# KiCad board homebrew_486.kicad_pcb (continued)
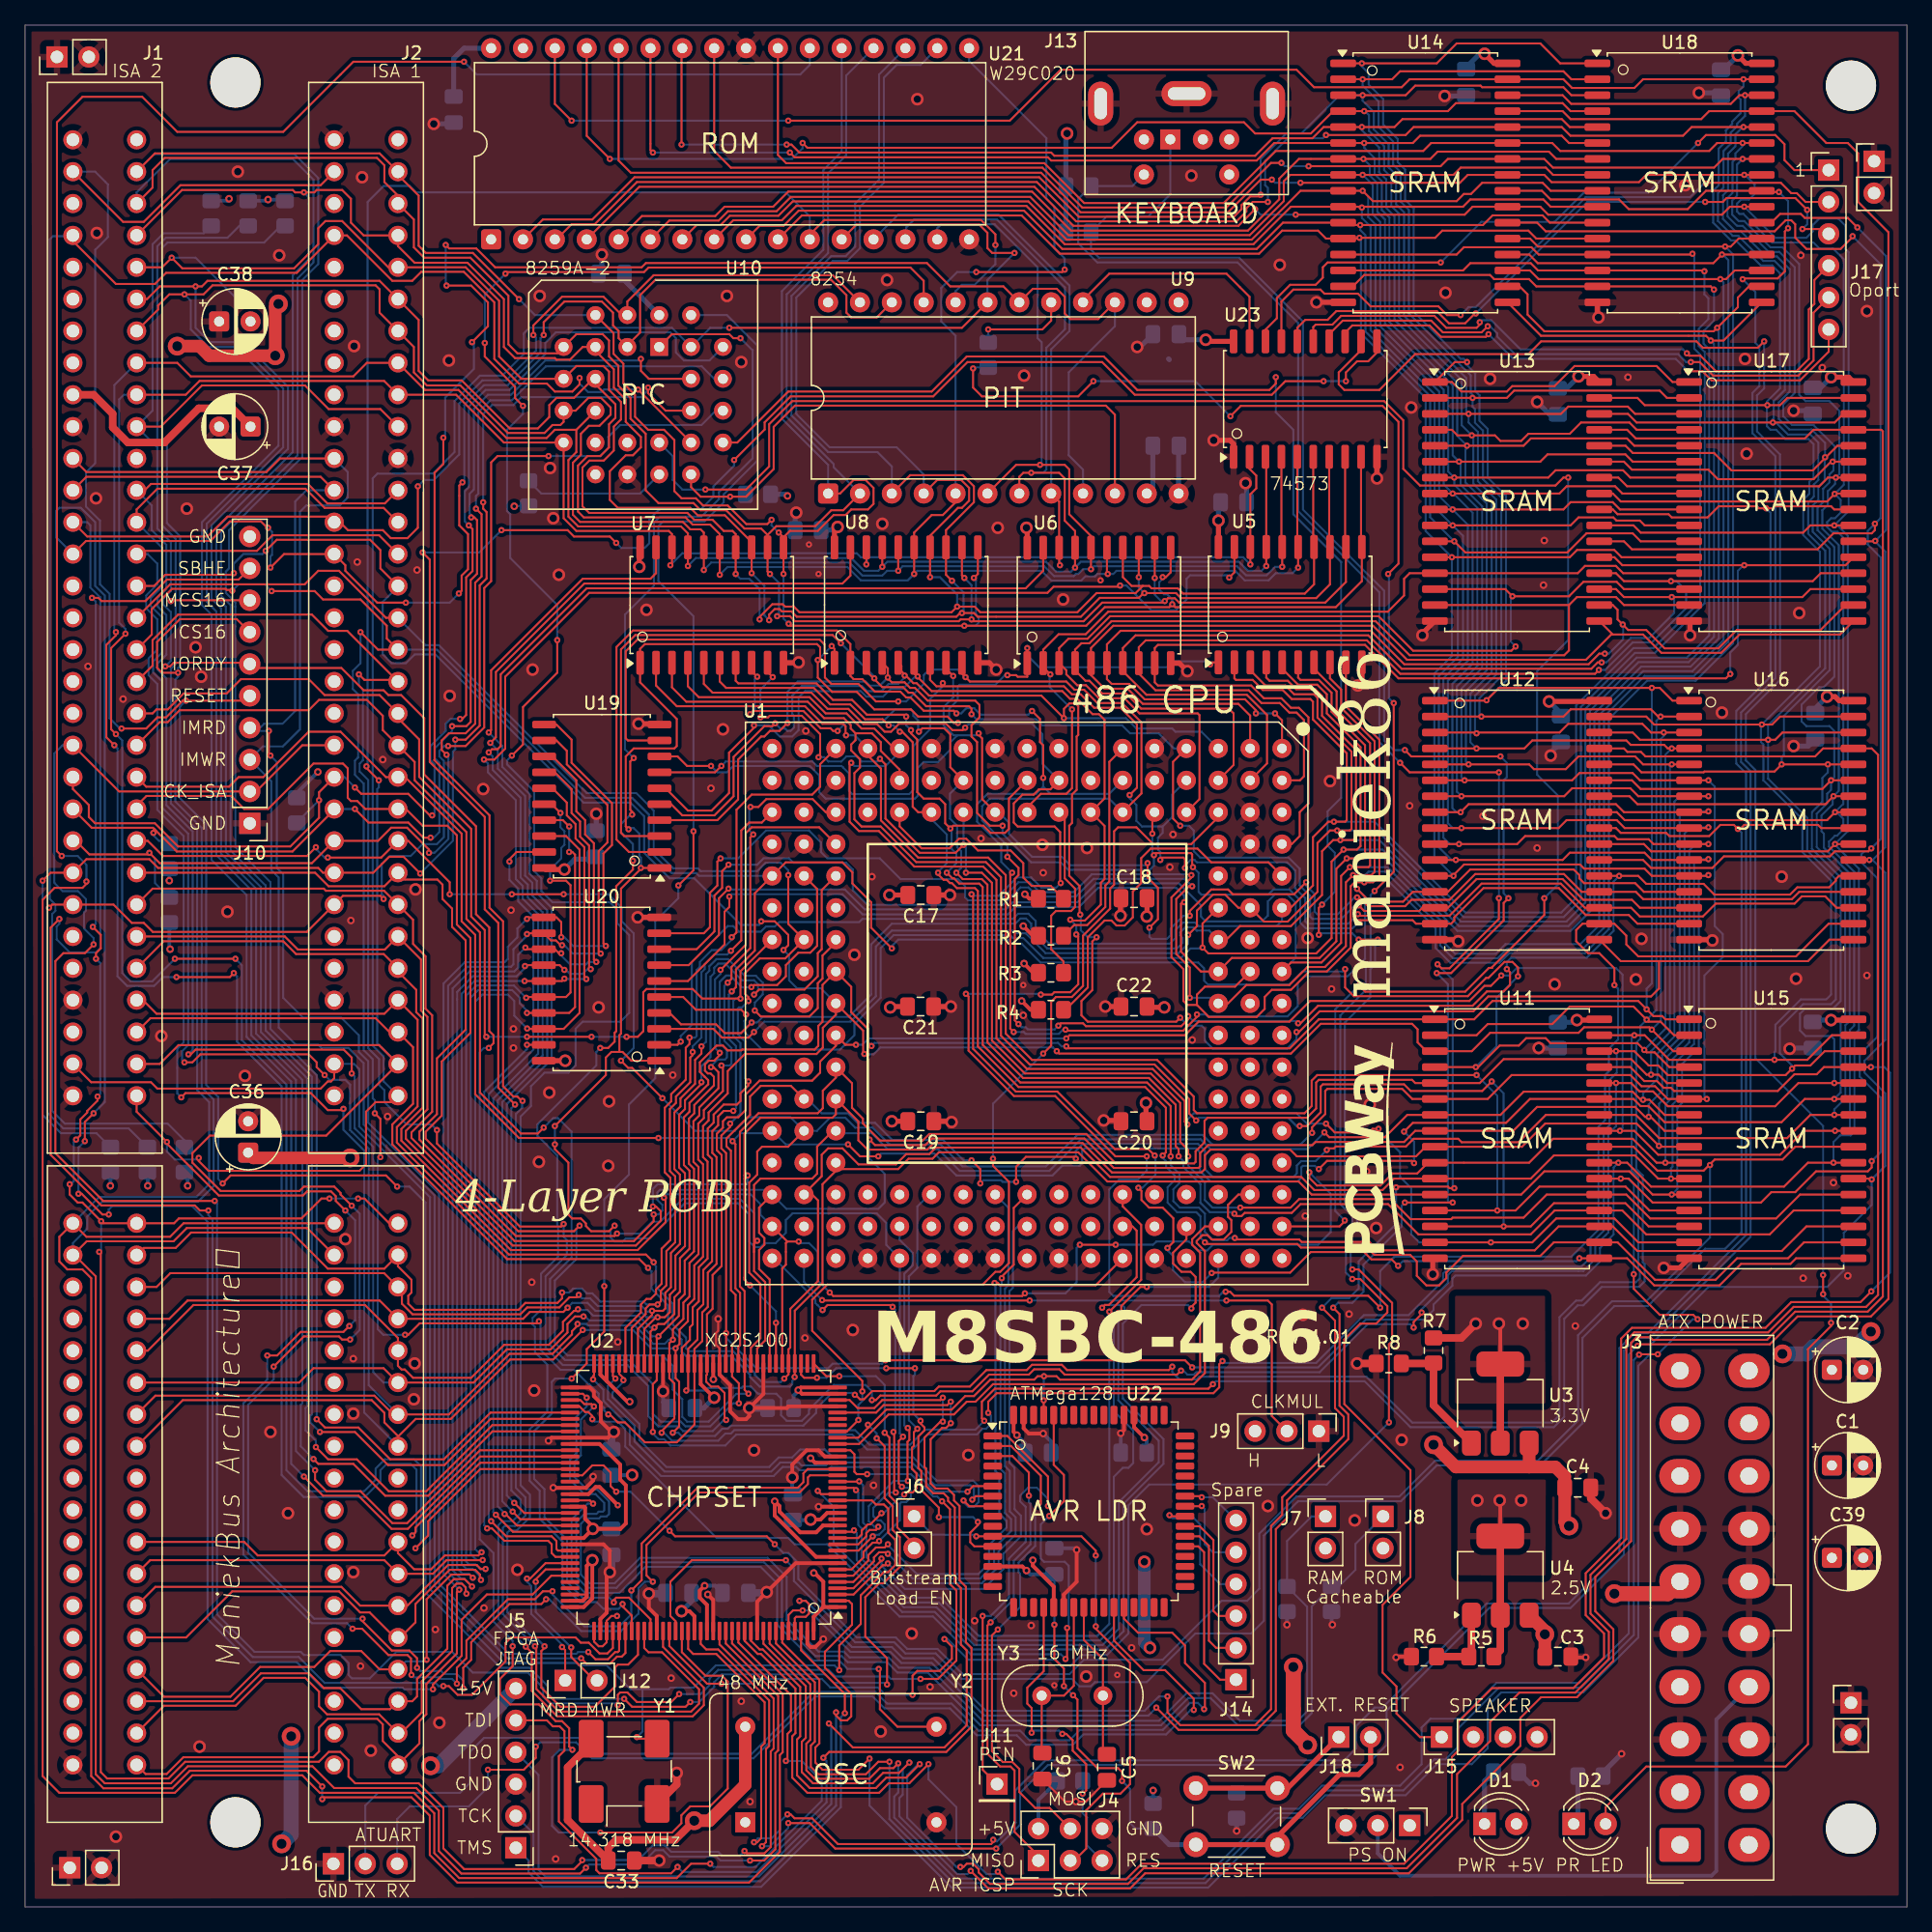
[diagram p0: board, top side]
## Routing (per net, layer and track width the routed paths; a pad name or vN(x,y) marks a point on that pad's centre or on a via; arc(x,y) is an arc through that point) (continued)
/FPGA/CLK14: length 131.2
  Top w0.16: Y1.3 48.9,13.41 v3(48.77,13.54) ; J1.30 5.27,65.74 10.03,65.74 10.54,65.23 23.56,65.23 24.13,65.8 24.38,65.8 24.64,66.05 J2.30 ; v3(64.9,18.87) 64.9,20.84 66.61,22.56 66.61,24.84 68.45,26.68 68.79,26.68 69.36,27.25 69.36,29.29 69.34,29.29 68.8,29.83 68.8,31.73 68.45,32.08 67.82,32.08 67.5,32.4 U2.18
  Bottom w0.16: J2.30 26.23,67.2 26.63,66.79 26.63,62.22 32.28,56.57 32.28,25.33 38.16,19.44 43.94,19.44 44.13,19.25 46.35,19.25 48.26,17.35 49.21,17.35 ; 49.21,17.35 49.21,13.98 v3(48.77,13.54) 48.7,13.54 ; 49.21,17.35 51.31,17.35 51.44,17.48 53.28,17.48 55.05,19.25 64.52,19.25 v3(64.9,18.87)
/FPGA/CLK_FPGA: length 48.4
  Top w0.16: v3(68.04,18.97) 68.14,18.87 68.14,15.76 69.53,14.36 Y2.8 ; 43.44,32.4 U2.91 45.02,32.4 v3(45.28,32.14)
  Bottom w0.16: v3(68.04,18.97) 65.56,18.97 64.9,19.63 62.8,19.63 59.94,22.49 59.94,25.79 58.63,27.11 49.44,27.11 47.37,25.03 44.64,25.03 43.56,26.11 43.56,30.87 44.83,32.14 v3(45.28,32.14)
/FPGA/CLK_ISA: length 201.5
  Top w0.16: v3(67.12,34.49) 66.29,34.49 66.1,34.68 66.1,36.08 65.78,36.4 U2.26 ; 71.31,18.11 v3(71.37,18.17) 72.77,18.17 74.23,19.63 74.23,25.22 73.72,25.73 73.72,31.7 v3(73.09,32.33) ; v3(15.11,56.27) 6.22,56.27 2.41,60.08 2.41,75.39 3.05,76.02 4.76,76.02 v3(5.46,76.72) ; J2.20 22.1,92.6 18.42,88.91 7.49,88.91 J1.20 ; v3(47.24,16.08) 47.24,16.9 47.43,17.09 48.01,17.09 48.77,16.33 51.5,16.33 v3(52.13,16.97)
  Bottom w0.16: v3(15.11,56.27) 15.3,56.08 15.3,23.32 18.29,20.33 21.97,20.33 22.22,20.08 25.15,20.08 25.78,19.44 25.78,18.49 26.06,18.22 27.47,18.22 29.59,20.33 34.04,20.33 35.69,18.68 40.07,18.68 41.3,17.45 41.3,16.76 41.83,16.23 47.1,16.23 v3(47.24,16.08) 47.31,16.02 ; J1.20 2.98,92.6 2.33,91.94 2.33,81.63 2.98,80.98 4.2,80.98 4.85,80.33 4.85,79.41 4.7,79.26 4.7,77.99 5.46,77.23 v3(5.46,76.72) ; v3(52.13,16.97) 53.85,16.97 54.55,17.67 54.55,18.2 55.24,18.89 64.05,18.89 64.58,18.36 68.83,18.36 69.02,18.17 v3(71.37,18.17) ; v3(67.12,34.49) 70.61,34.49 72.39,32.72 72.71,32.72 v3(73.09,32.33)
/FPGA/ISA_IO_READY: length 216.4
  Top w0.16: v3(43.62,12.52) 43.37,12.78 43.37,14.24 42.8,14.81 42.29,14.81 40.96,16.14 38.67,16.14 37.85,16.97 37.85,18.17 38.86,19.19 v3(38.86,20.78) ; J1.41 10.82,118 14.1,121.28 22.31,121.28 24.19,119.39 28.32,119.39 J2.41 ; v3(11.18,98.88) 11.56,98.88 11.84,99.17 17.81,99.17 18.22,98.76 25.21,98.76 26.99,96.98 28.57,96.98 28.96,96.6 29.97,96.6 31.81,94.76 31.81,90.27 35.94,86.14 35.94,79.13 37,78.08 37,69.82 37.34,69.48 37.34,68.85 v3(36.96,68.47) ; v3(45.86,5.93) 51.57,5.93 52.31,6.67 52.31,7.3 53.02,8.01 54.59,8.01 56.01,9.43 56.01,17.96 55.54,18.43 54.23,18.43 52.35,20.31 U2.123
  Bottom w0.16: R16.2 14.24,133.41 11.03,133.41 10.16,132.54 10.16,119.27 J1.41 10.54,116.35 10.54,109.87 11.62,108.79 11.62,104.89 11,104.27 11,103.85 11.62,103.22 11.62,99.33 v3(11.18,98.88) ; v3(38.86,20.78) 38.86,21.22 37.34,22.75 37.34,28.21 36.24,29.31 36.24,68.13 36.58,68.47 v3(36.96,68.47) ; v3(45.86,5.93) 42.54,5.93 42.01,6.46 42.01,11.92 42.61,12.52 v3(43.62,12.52)
/FPGA/ISA_SBHE: length 217.6
  Top w0.16: v3(5.33,104.34) 5.84,104.34 6.1,104.09 9.59,104.09 11.3,105.8 17.02,105.8 J10.9 ; v3(24.26,56.46) 23.62,56.46 22.03,54.88 12.26,54.88 11.87,54.5 J1.81 6.22,54.5 v3(6.06,54.65) 4.57,56.15 4.19,56.15 3.56,56.78 v3(3.56,57.61) ; J2.81 29.02,54.5 27.05,56.46 v3(26.54,56.46) ; v3(57.34,4.46) 57.53,4.27 58.93,4.27 59.44,4.78 59.44,12.4 59.67,12.63 59.67,16.61 55.35,20.92 U2.129 ; v3(4.06,61.16) 4.4,61.5 4.4,62.77 4.95,63.32 4.95,63.45 5.78,64.28 v3(5.78,64.59) ; 44.45,3.7 43.77,3.02 34.99,3.02 33.34,4.67 33.34,7.89 31.37,9.86 26.31,9.86 25.78,10.38 25.78,11.7 25.12,12.36 24.21,12.36 23.42,11.57 12.76,11.57 11.43,10.24 6.54,10.24 6.03,10.74 6.03,52.08 v3(5.91,52.21) ; v3(5.65,75.58) 5.65,76.02 6.03,76.4 6.03,77.48 v3(5.4,78.12)
  Bottom w0.16: v3(57.34,4.46) 56.96,4.08 55.56,4.08 55.25,4.39 51.5,4.39 50.99,4.9 50.04,4.9 48.87,3.74 44.49,3.74 44.45,3.7 ; v3(5.65,75.58) 5.99,75.24 5.99,64.8 v3(5.78,64.59) ; v3(26.54,56.46) v3(24.26,56.46) ; v3(5.4,78.12) 5.63,78.35 5.63,104.05 v3(5.33,104.34) ; v3(6.06,54.65) 6.06,52.37 v3(5.91,52.21) ; v3(4.06,61.16) 3.87,60.97 3.87,57.84 3.64,57.61 v3(3.56,57.61)
  vias: v3(44.41,3.73)
/FPGA/PS2_CLK: length 213.8
  Top w0.16: v3(117.47,80.4) 117.47,78.75 113.54,74.82 112.9,74.82 v3(112.59,75.13) 112.52,75.2 ; v3(91.06,16.78) 91.06,15.51 92.08,14.49 98.04,14.49 99.31,15.76 99.31,30.37 100.2,31.26 100.2,32.65 105.11,37.56 105.11,39.07 104.41,39.76 104.41,46.73 v3(103.38,47.77) ; v3(61.72,24.4) 62.23,24.4 62.48,24.14 62.48,23.38 62.23,23.13 61.47,23.13 61.35,23.01 U2.141 ; v3(117.47,90.44) 110.36,90.44 v3(109.6,91.2) ; v3(113.92,57.29) 113.54,57.29 113.41,57.42 109.35,57.42 v3(109.28,57.35) 109.22,57.29
  Bottom w0.16: v3(91.06,16.78) 90.38,16.78 89.24,15.63 76.58,15.63 72.39,19.83 69.98,19.83 69.09,20.71 65.91,20.71 62.61,24.02 62.61,24.02 62.23,24.4 v3(61.72,24.4) ; 89.18,138.09 88.27,137.17 R28.2 83.95,136.16 83.95,132.6 85.47,131.08 96.65,131.08 101.47,126.25 101.47,111.27 107.95,104.79 107.95,92.85 v3(109.6,91.2) ; v3(109.28,57.35) 109.28,54.43 106.3,51.45 106.3,49.29 105.54,48.53 104.14,48.53 v3(103.38,47.77) ; v3(117.47,90.44) v3(117.47,80.4) ; v3(113.92,57.29) 113.79,57.42 113.79,73.93 v3(112.59,75.13)
/FPGA/PS2_DATA: length 213.9
  Top w0.16: v3(112.52,74.44) 113.67,74.44 117.86,78.62 117.86,80.02 v3(118.24,80.4) ; v3(61.98,23.64) 61.21,23.64 60.85,23.27 U2.140 ; v3(109.98,92.22) 110.49,91.71 v3(117.6,91.71) ; v3(113.79,56.15) v3(109.98,56.15) ; v3(90.17,15.89) 91.95,14.11 98.17,14.11 99.69,15.63 99.69,30.11 100.58,31 100.58,32.4 105.47,37.29 105.47,39.25 104.77,39.95 104.77,47.26 v3(104.27,47.77)
  Bottom w0.16: v3(109.98,92.22) 109.09,92.22 108.33,92.98 108.33,104.92 101.85,111.39 101.85,126.38 96.78,131.46 85.6,131.46 84.96,132.09 R27.1 86.23,134.76 89.53,134.76 91.28,136.51 J13.1 ; v3(117.6,91.71) 118.11,91.2 118.11,90.06 117.86,89.8 117.86,80.79 v3(118.24,80.4) ; v3(61.98,23.64) 62.48,23.64 65.79,20.33 68.96,20.33 69.85,19.44 72.26,19.44 76.45,15.25 89.53,15.25 v3(90.17,15.89) ; v3(113.79,56.15) 113.54,56.15 113.41,56.27 113.41,73.55 v3(112.52,74.44) ; v3(109.98,56.15) 109.73,55.89 109.73,54.24 106.68,51.19 106.68,49.04 105.79,48.15 104.65,48.15 v3(104.27,47.77)
/FPGA/RAM_CACHE_EN: length 106.2
  Top w0.16: U2.75 44.26,40.4 44.58,40.08 45.15,40.08 v3(45.34,39.89)
  Bottom w0.16: J7.1 102.55,31.13 100.58,29.16 R12.1 102.19,23.93 102.19,15.59 101.44,14.84 96.84,14.84 94.65,17.03 92.58,17.03 90.39,14.84 76.3,14.84 72.07,19.06 69.66,19.06 68.84,19.89 65.72,19.89 65.26,20.35 63.25,20.35 60.71,22.89 60.71,26.3 59.18,27.83 49.02,27.83 46.99,25.79 45,25.79 44.3,26.49 44.3,30.54 44.74,30.97 45.75,30.97 45.91,31.13 46.35,31.13 46.55,31.32 46.55,32.33 45.59,33.29 44.77,33.29 43.79,34.26 43.79,35.49 44.3,36 44.3,38.85 v3(45.34,39.89)
/FPGA/ROM_CACHE_EN: length 107.4
  Top w0.16: U2.74 44.45,40.9 v3(44.77,40.59)
  Bottom w0.16: v3(44.77,40.59) 44.77,39.89 43.94,39.07 43.94,36.14 43.43,35.64 43.43,34.05 44.58,32.91 45.46,32.91 46.16,32.21 46.16,31.62 46.06,31.51 45.72,31.51 45.54,31.33 44.59,31.33 43.94,30.68 43.94,26.3 44.81,25.43 47.14,25.43 49.17,27.47 58.91,27.47 60.33,26.05 60.33,22.66 62.99,19.99 65.09,19.99 65.57,19.51 68.71,19.51 69.53,18.68 71.95,18.68 76.15,14.48 90.55,14.48 92.72,16.65 94.49,16.65 96.66,14.48 101.59,14.48 102.55,15.44 102.55,23.95 R11.1 104.71,25.54 106.05,26.87 106.05,28.93 J8.1
/FPGA/TCK: length 53.1
  Top w0.16: U2.2 65.65,24.4 65.91,24.14 65.91,22.49 63.75,20.33 63.75,19.06 65.85,16.97 65.85,15.19 65.53,14.87 65.02,14.87 64.64,15.25 v3(64.64,15.51)
  Bottom w0.16: J5.2 40.51,5.86 40.51,2.87 41.34,2.05 58.61,2.05 64.64,8.08 v3(64.64,15.51)
/FPGA/TDI: length 92.4
  Top w0.16: v3(73.79,38.56) 73.41,38.18 73.09,38.18 72.18,37.27 72.18,33.75 72.58,33.35 73.53,33.35 74.04,32.84 74.04,32.4 74.49,31.96 74.49,26.03 74.99,25.52 74.99,21.1 75.44,20.65 75.44,14.36 73.43,12.35 64.09,12.35 v3(63.63,11.89) ; v3(52.01,3.19) 51.5,2.68 45.78,2.68 45.53,2.93 45.53,3.83 42.55,6.81 42.55,12.01 42.99,12.46 42.99,14.01 42.61,14.4 42.07,14.4 41.59,14.87 J5.5 ; U2.32 67.84,39.4 68.43,40 73.51,40 v3(73.79,40.27)
  Bottom w0.16: v3(73.79,40.27) v3(73.79,38.56) ; v3(63.63,11.89) 63.88,11.63 63.88,8.33 58.33,2.79 52.41,2.79 v3(52.01,3.19)
/FPGA/TDO: length 92.8
  Top w0.16: v3(64.07,14.62) 65.98,12.71 73.28,12.71 75.06,14.49 75.06,20.44 74.59,20.9 74.59,25.41 74.1,25.9 74.1,31.83 73.57,32.36 73.57,32.62 73.22,32.97 72.39,32.97 71.82,33.54 71.82,34.94 71.69,35.07 71.69,37.41 72.96,38.68 v3(73.15,38.68) ; U2.34 65.72,40.4 66.36,39.76 67.69,39.76 68.32,40.4 72.96,40.4 v3(73.15,40.59)
  Bottom w0.16: v3(73.15,40.59) v3(73.15,38.68) ; J5.4 40.93,10.52 40.93,2.97 41.47,2.43 58.48,2.43 64.26,8.21 64.26,14.43 v3(64.07,14.62)
/FPGA/TMS: length 46
  Top w0.16: U2.142 61.85,20.46 65.34,16.97 v3(65.34,15.44)
  Bottom w0.16: v3(65.34,15.44) 65.02,15.13 65.02,7.95 58.68,1.6 41.28,1.6 40.13,2.74 40.13,3.7 J5.1
/FPGA/~{IO_RD}: length 244.3
  Top w0.16: v3(34.58,104.69) 34.8,104.91 34.8,106.12 35.31,106.63 35.31,109.42 34.61,110.12 34.61,113.3 v3(34.86,113.55) ; v3(6.67,55.19) 6.16,55.19 4.51,56.85 v3(4.25,56.85) ; v3(4.76,61.04) 4.76,62.56 v3(5.46,63.26) ; J1.14 4.85,108.88 14.76,108.88 16.32,110.44 18.8,110.44 19.3,109.93 v3(19.37,109.93) ; v3(32.51,17.35) 32.51,17.73 34.8,20.02 34.8,22.89 36.81,24.91 40.45,24.91 41.95,26.4 U2.103 ; U9.22 67.88,126.7 65.85,126.7 65.47,127.08 65.47,128.47 64.24,129.7 50.25,129.7 49.02,128.47 49.02,125.49 48.01,124.47 U10.3 47.31,125.04 47.31,125.62 46.86,126.06 46.86,127.08 45.97,127.97 42.99,127.97 41.34,126.31 v3(41.34,125.3) ; v3(30.35,103.96) 28.07,103.96 25.53,106.5 25.53,106.95 J2.14 20.64,107.84 v3(19.56,106.76)
  Bottom w0.16: v3(41.34,125.3) 41.08,125.04 41.08,123.91 38.48,121.3 36.57,121.3 35.01,119.73 35.01,113.7 v3(34.86,113.55) ; v3(4.76,61.04) 4.25,60.53 v3(4.25,56.85) ; J1.14 2.48,109.17 2.48,111.27 2.73,111.52 4.45,111.52 5.59,110.38 5.59,105.3 6.35,104.54 6.35,64.15 v3(5.46,63.26) ; v3(32.51,17.35) 30.23,17.35 30.1,17.48 23.69,17.48 21.65,19.51 17.97,19.51 14.54,22.94 14.54,54.62 13.31,55.85 6.92,55.85 6.67,55.6 v3(6.67,55.19) ; v3(19.37,109.93) 19.68,109.61 19.68,107.77 19.56,107.65 v3(19.56,106.76) ; v3(34.58,104.69) 33.85,103.96 v3(30.35,103.96)
/FPGA/~{IO_WR}: length 228.4
  Top w0.16: U2.112 46.85,20.64 46.42,20.21 45.78,20.21 44.93,21.06 44.29,21.06 43.88,21.48 38.73,21.48 38.29,21.03 38.29,19.57 35.62,16.9 34.48,16.9 33.78,17.6 v3(33.34,17.6) ; v3(31.31,113.23) 31.31,109.93 30.48,109.11 29.15,109.11 28.51,109.74 25.73,109.74 25.1,110.38 J2.13 24.19,110.82 16.13,110.82 14.55,109.24 4.95,109.24 J1.13 ; v3(2.73,78.75) 2.03,78.05 2.03,59.96 6.07,55.91 13.53,55.91 13.93,55.51 v3(14.61,55.51) ; v3(40.51,125.3) 40.51,126.06 42.8,128.35 46.1,128.35 47.56,126.89 U10.2 48.01,127.97 50.1,130.06 64.39,130.06 U9.23
  Bottom w0.16: v3(33.34,17.6) 32.96,17.6 32.7,17.86 23.88,17.86 21.81,19.92 18.15,19.92 14.94,23.13 14.94,54.79 14.61,55.13 v3(14.61,55.51) ; v3(2.73,78.75) 2.73,78.37 2.52,78.16 2.52,77.12 3.56,76.09 5.65,76.09 5.99,76.42 5.99,104.39 5.21,105.17 5.21,110.12 4.95,110.38 J1.13 ; v3(31.31,113.23) 31.81,113.74 32.58,113.74 34.61,115.77 34.61,119.84 36.45,121.68 38.35,121.68 40.72,124.06 40.72,125.09 v3(40.51,125.3)
/FPGA/~{ISA_IOCS16}: length 260.4
  Top w0.16: v3(57.78,3.7) 58.91,3.7 59.8,4.59 59.8,12.26 60.03,12.48 60.03,16.82 55.85,20.99 U2.130 ; J2.64 22.48,54.12 12.89,54.12 11.83,53.06 4.91,53.06 J1.64 3.94,51.96 5.63,50.26 5.63,10.58 6.35,9.86 11.62,9.86 12.97,11.21 22.9,11.21 24.64,9.47 31.18,9.47 32.98,7.68 32.98,4.46 34.78,2.66 44.24,2.66 v3(44.7,3.12) ; v3(12.19,98.37) 10.92,98.37 10.52,98.78 10.52,100.83 12.34,102.65 16.87,102.65 J10.7
  Bottom w0.16: R18.2 20.38,134 19.05,132.66 11.35,132.66 10.92,132.24 10.92,117.11 11.3,116.73 11.3,110.31 12.36,109.25 12.36,98.92 12.19,98.75 v3(12.19,98.37) 12.19,98.06 11.98,97.85 11.98,88.11 14.08,86.02 14.08,65.31 15.03,64.36 15.03,57.46 13.78,56.21 6.14,56.21 4.95,55.03 4.95,54.05 3.81,52.91 J1.64 ; v3(44.7,3.12) 44.96,3.38 49.09,3.38 50.23,4.52 50.86,4.52 51.37,4.01 55.12,4.01 55.44,3.7 v3(57.78,3.7)
/FPGA/~{ISA_MEM_RD}: length 141.9
  Top w0.16: v3(19.56,91.77) 19.43,91.9 v3(19.43,93.74) ; U2.113 47.35,20.42 47.24,20.31 47.03,20.31 46.46,19.74 45.47,19.74 v3(44.89,20.31) 44.87,20.31 ; J1.12 4.89,114 23.56,114 J2.12
  Bottom w0.16: J2.12 22.42,112.92 21.53,112.03 21.53,95.33 20.51,94.31 19.05,94.31 18.73,93.99 17.91,93.99 18.16,93.74 v3(19.43,93.74) ; v3(44.89,20.31) 44.08,20.31 43.94,20.18 38.57,20.18 33,25.75 33,56.87 27.35,62.52 27.35,67.41 26.61,68.15 26.61,69.48 25.21,70.88 22.16,70.88 20.57,72.47 20.57,82.31 20.07,82.82 20.07,91.26 v3(19.56,91.77)
/FPGA/~{ISA_MEM_WR}: length 146.1
  Top w0.16: U2.114 47.85,20.24 47.56,19.95 47.18,19.95 46.61,19.38 44.76,19.38 v3(44.32,19.82) ; J1.11 4.89,114.38 19.24,114.38 20.32,115.46 J2.11
  Bottom w0.16: v3(44.32,19.82) 38.43,19.82 32.64,25.6 32.64,56.72 26.99,62.37 26.99,67.26 25.78,68.47 23.62,68.47 23.37,68.72 21.59,68.72 20.21,70.1 20.21,82.06 19.62,82.65 19.62,89.74 J10.3 18.95,92.5 20.54,92.5 21.91,93.87 21.91,111.2 22.42,111.71 25.08,111.71 25.72,112.34 25.72,114.38 J2.11
/FPGA/~{ISA_MEMCS16}: length 254
  Top w0.16: J2.63 12.64,54.5 11.56,53.42 4.89,53.42 J1.63 2.73,53.42 2.73,51.45 3.37,50.81 4.57,50.81 5.27,50.11 5.27,10.43 6.24,9.45 11.73,9.45 13.12,10.85 22.44,10.85 v3(23.69,9.6) ; U2.131 56.35,21 60.39,16.97 60.39,12.33 60.16,12.11 60.16,4.39 57.71,1.94 34.46,1.94 32.26,4.14 32.26,7.27 30.8,8.73 23.83,8.73 v3(23.69,8.59) ; v3(11.62,104.09) 11.68,104.15 J10.8
  Bottom w0.16: 12,104.09 v3(11.62,104.09) ; 12,104.09 12,109.04 10.92,110.12 10.92,116.54 10.54,116.92 10.54,132.37 11.22,133.05 16.13,133.05 17.08,134 R17.2 ; 12,104.09 12,99.07 11.62,98.69 11.62,87.96 13.72,85.87 13.72,65.1 14.67,64.15 14.67,57.61 13.65,56.59 5.91,56.59 J1.63 ; v3(23.69,8.59) v3(23.69,9.6)
/FPGA/~{MEM_RD}: length 13.5
  Top w0.16: U2.101 41.49,27.4 40.26,26.18 v3(40,26.18) ; v3(42.8,20.71) 43.05,20.47 J12.1
  Bottom w0.16: v3(40,26.18) 40,25.92 40.34,25.58 40.34,23.36 42.8,20.9 v3(42.8,20.71) 42.8,20.59
/FPGA/~{MEM_WR}: length 13.4
  Top w0.16: J12.2 45.4,18.05 43.53,19.92 v3(43.53,20.68) ; v3(40.7,25.92) 40.7,26.11 41.5,26.9 U2.102
  Bottom w0.16: v3(40.7,25.92) 40.7,23.51 v3(43.53,20.68) 43.62,20.59
/FPGA/~{RAM_OE_B0}: length 148
  Top w0.16: v3(59.75,28.91) 59.12,29.54 51.82,29.54 v3(51.37,29.99) ; U15.24 141.1,60.59 140.08,59.58 134.68,59.58 133.79,58.69 130.11,58.69 128.21,60.59 U11.24 ; v3(47.12,33.1) 46.67,33.54 46.67,34.62 46.1,35.19 45.21,35.19 44.42,34.4 U2.87
  Bottom w0.16: v3(134.3,59.13) 134.3,53.35 129.22,48.27 126.49,48.27 123.78,45.56 123.78,38.77 120.59,35.57 112.39,35.57 109.54,32.72 101.34,32.72 98.38,29.75 98.38,25.37 97.41,24.4 95.38,24.4 90.68,19.7 84.39,19.7 83.25,18.56 74.74,18.56 72.73,20.57 70.32,20.57 69.41,21.48 66.3,21.48 61.64,26.13 61.64,27.4 60.83,28.21 60.45,28.21 v3(59.75,28.91) ; v3(51.37,29.99) 48.26,33.1 v3(47.12,33.1)
/FPGA/~{RAM_OE_B1}: length 171.6
  Top w0.16: 145.68,85.93 U16.24 143.17,85.99 142.92,86.25 137.03,86.25 136.72,85.93 v3(136.53,85.93) 136.21,86.25 135.13,86.25 134.24,85.36 131.06,85.36 130.81,85.61 127.19,85.61 126.81,85.99 U12.24 ; U2.122 51.85,22.77 51.44,23.19 51.44,25.92 53.15,27.64 v3(60.64,27.64)
  Bottom w0.16: v3(60.64,27.64) 61.28,27 61.28,25.98 66.17,21.1 69.28,21.1 70.17,20.21 72.58,20.21 74.61,18.17 83.44,18.17 84.03,17.58 84.94,17.58 85.28,17.92 89.41,17.92 93.28,21.79 97.73,21.79 98.74,22.81 98.74,29.6 101.47,32.33 109.66,32.33 112.52,35.19 120.78,35.19 124.14,38.56 124.14,45.35 126.68,47.89 129.35,47.89 133.92,52.46 135.51,52.46 136.82,53.78 136.82,85.63 v3(136.53,85.93) 136.46,85.99
/FPGA/~{RAM_OE_B2}: length 215.2
  Top w0.16: v3(60.77,7.38) 61.02,7.38 61.34,7.06 62.74,7.06 64.79,5.01 77,5.01 77.22,5.22 ; v3(58.1,5.16) 58.36,5.16 58.67,5.47 58.67,12.78 58.95,13.05 58.95,16.31 55.09,20.16 53.26,20.16 52.85,20.57 U2.124 ; U17.24 144.21,111.39 143.95,111.65 139.45,111.65 139.29,111.49 v3(138.78,111.49) 138.21,111.49 138.05,111.65 135,111.65 134.11,110.76 131.25,110.76 131,111.01 126.94,111.01 126.56,111.39 U13.24
  Bottom w0.16: v3(58.1,5.16) 58.42,5.47 59.49,5.47 60.2,6.18 60.2,6.81 v3(60.77,7.38) ; 77.22,5.22 77.47,5.22 78.95,6.7 78.95,9.31 81.32,11.68 105.13,11.68 106.11,12.65 106.11,14.43 107.57,15.89 108.2,15.89 116.5,24.19 123.04,24.19 127.08,28.23 127.08,44.55 128.27,45.73 129.35,45.73 137.18,53.57 137.18,90.35 136.4,91.13 136.4,95.33 139.13,98.06 139.13,111.14 v3(138.78,111.49) 138.75,111.52
  vias: v3(77.17,5.35)
/FPGA/~{RAM_OE_B3}: length 246.2
  Top w0.16: v3(139.8,136.7) 138.53,136.7 U18.24 133.98,136.79 132.52,135.33 127.83,135.33 127.06,136.1 121.59,136.1 120.9,136.79 U14.24 ; v3(60.83,6.68) 62.55,6.68 64.58,4.65 v3(77.41,4.65) ; U2.126 53.85,20.96 54.29,20.52 55.24,20.52 59.31,16.46 59.31,12.84 59.05,12.59 59.05,5.16 v3(58.74,4.84) ; v3(136.91,129.74) 136.97,129.81 139.7,129.81 140.27,130.38 140.27,133.55 v3(140.53,133.81)
  Bottom w0.16: v3(58.74,4.84) 59.37,4.84 60.83,6.3 v3(60.83,6.68) ; v3(140.53,133.81) 140.53,135.97 v3(139.8,136.7) 139.76,136.73 ; v3(136.91,129.74) 137.92,128.73 137.92,124.66 138.24,124.35 138.24,121.23 137.69,120.68 137.69,117.47 139.51,115.65 139.51,97.93 136.78,95.2 136.78,91.26 137.54,90.5 137.54,53.42 129.48,45.35 128.46,45.35 127.44,44.34 127.44,28.08 123.19,23.83 116.71,23.83 108.52,15.63 108.52,12.9 106.93,11.32 81.53,11.32 79.31,9.09 79.31,6.55 v3(77.41,4.65)
/FPGA/~{RAM_WE_B0}: length 189.3
  Top w0.16: v3(77.53,2.81) 78.15,2.19 87.76,2.19 89.01,3.44 109.92,3.44 113.73,7.25 113.73,11.95 114.24,12.46 114.24,14.75 116.94,17.44 123.41,17.44 125.86,19.89 125.86,21.79 124.4,23.25 124.4,26.6 127.22,29.42 127.22,45.3 128.08,46.16 138.73,46.16 140.78,48.21 146.3,48.21 v3(147.16,49.07) 147.19,49.1 ; v3(72.01,11.38) 70.48,9.86 68.83,9.86 68.07,9.09 62.36,9.09 61.15,10.3 61.15,13.6 61.4,13.86 61.4,17.41 58.65,20.16 58.4,20.16 57.35,21.21 U2.133 ; v3(147.13,66.94) U15.29 143.38,66.94 142.81,66.37 141.03,66.37 139.7,65.04 131.44,65.04 131.19,65.29 130.62,65.29 130.08,65.83 129.06,65.83 127.95,66.94 U11.29
  Bottom w0.16: v3(147.13,66.94) 148.21,66.94 148.65,66.5 148.65,50.56 v3(147.16,49.07) ; v3(77.53,2.81) 77.34,2.62 76.64,2.62 74.23,5.03 74.23,7.95 72.01,10.17 v3(72.01,11.38)
/FPGA/~{RAM_WE_B1}: length 212.7
  Top w0.16: U2.134 57.85,21.22 58.55,20.52 58.8,20.52 61.79,17.54 61.79,13.6 61.53,13.35 61.53,10.49 62.55,9.47 67.82,9.47 68.64,10.3 70.23,10.3 v3(71.31,11.38) ; U12.29 127.44,92.34 127.72,92.07 128.8,92.07 129.16,91.71 142.68,91.71 143.32,92.34 U16.29 147.19,92.34 147.7,91.83 147.7,48.78 146.75,47.83 140.97,47.83 138.94,45.8 128.27,45.8 127.63,45.16 127.63,29.33 124.78,26.47 124.78,23.38 126.24,21.92 126.24,19.76 123.56,17.08 119.12,17.08 116.78,14.75 116.78,13.22 114.14,10.59 114.14,7.09 110.13,3.08 89.15,3.08 87.91,1.83 76.92,1.83 76.01,2.74 76.01,3 75.56,3.44 75.06,3.44 74.8,3.19 v3(74.55,3.19)
  Bottom w0.16: v3(71.31,11.38) 71.18,11.38 70.32,10.51 70.32,7.11 74.24,3.19 v3(74.55,3.19)
/FPGA/~{RAM_WE_B2}: length 237.2
  Top w0.16: v3(75.37,2.87) 76.77,1.47 88.07,1.47 89.28,2.68 110.3,2.68 114.55,6.93 114.55,8.2 119.19,12.84 119.19,15.06 120.84,16.71 123.7,16.71 126.6,19.61 126.6,22.13 125.16,23.57 125.16,26.3 128.02,29.16 128.02,44.97 128.46,45.42 129.52,45.42 129.73,45.2 138.85,45.2 141.1,47.45 146.88,47.45 148.08,48.65 148.08,117.62 147.95,117.74 U17.29 142.56,117.74 141.87,117.05 128.39,117.05 127.7,117.74 U13.29 ; v3(70.48,11.51) 69.66,10.68 68.39,10.68 67.56,9.86 62.8,9.86 61.91,10.74 61.91,13.16 62.23,13.48 62.23,17.6 58.85,20.98 U2.136
  Bottom w0.16: v3(70.48,11.51) 69.96,10.98 69.96,8.95 69.69,8.68 69.69,7.22 74.3,2.62 75.12,2.62 v3(75.37,2.87)
/FPGA/~{RAM_WE_B3}: length 262.4
  Top w0.16: v3(128.52,44.72) 128.65,44.84 139.06,44.84 141.29,47.07 147.13,47.07 148.53,48.46 148.53,133.49 146.11,135.9 146.11,139.78 145.29,140.6 143.57,140.6 141.03,143.14 U18.29 134.24,143.14 133.6,142.51 123.19,142.51 122.56,143.14 U14.29 ; U2.137 59.35,20.99 62.59,17.75 62.59,13.33 62.27,13.01 62.27,10.89 62.95,10.22 67.29,10.22 68.14,11.06 69.22,11.06 v3(69.6,11.44)
  Bottom w0.16: v3(69.6,11.44) 69.6,9.11 69.28,8.8 69.28,7.13 74.15,2.26 93.94,2.26 99.5,7.82 101.54,7.82 103.38,9.67 109.6,9.67 111.32,11.38 111.32,14.3 112.01,15 114.43,15 117.28,17.86 123.89,17.86 127.83,21.79 127.83,44.02 v3(128.52,44.72)
/INTR: length 165
  Top w0.16: U1.A16 104.77,54.24 105.22,54.69 ; v3(106.33,73.45) 106.83,72.95 114.79,72.95 116.68,74.85 116.93,74.85 116.93,74.91 121.09,79.07 v3(121.09,80.4) ; v3(54.23,112.98) 57.47,112.98 59.31,114.82 59.31,118.19 61.15,120.03 108.33,120.03 109.85,118.5 109.85,114.63 111.19,113.3 121.98,113.3 122.62,113.93 v3(123,113.93)
  Bottom w0.16: v3(54.23,112.98) 52.39,112.98 51.63,113.74 51.63,115.65 U10.17 ; v3(123,113.93) 123,100.98 120.52,98.5 120.52,90.25 122.17,88.6 122.17,81.48 v3(121.09,80.4) ; 105.22,54.69 v3(105.19,54.72) 104.44,55.47 104.44,71.56 v3(106.33,73.45)
/ISA/IRQ2: length 148.2